# Altium PCB FlatSat Half1.PcbDoc (part 5 of 9)
Units mil, origin at the board's own origin, x right, y up, seen from the top; angles counter-clockwise.
Board outline 4682 x 10392 mil, 4 copper layers (Top Layer, STR GND 1, STR GND 2, Bottom Layer), stack 33.434 mil thick; 231 components, 255 nets, 990 pads, 1106 vias.
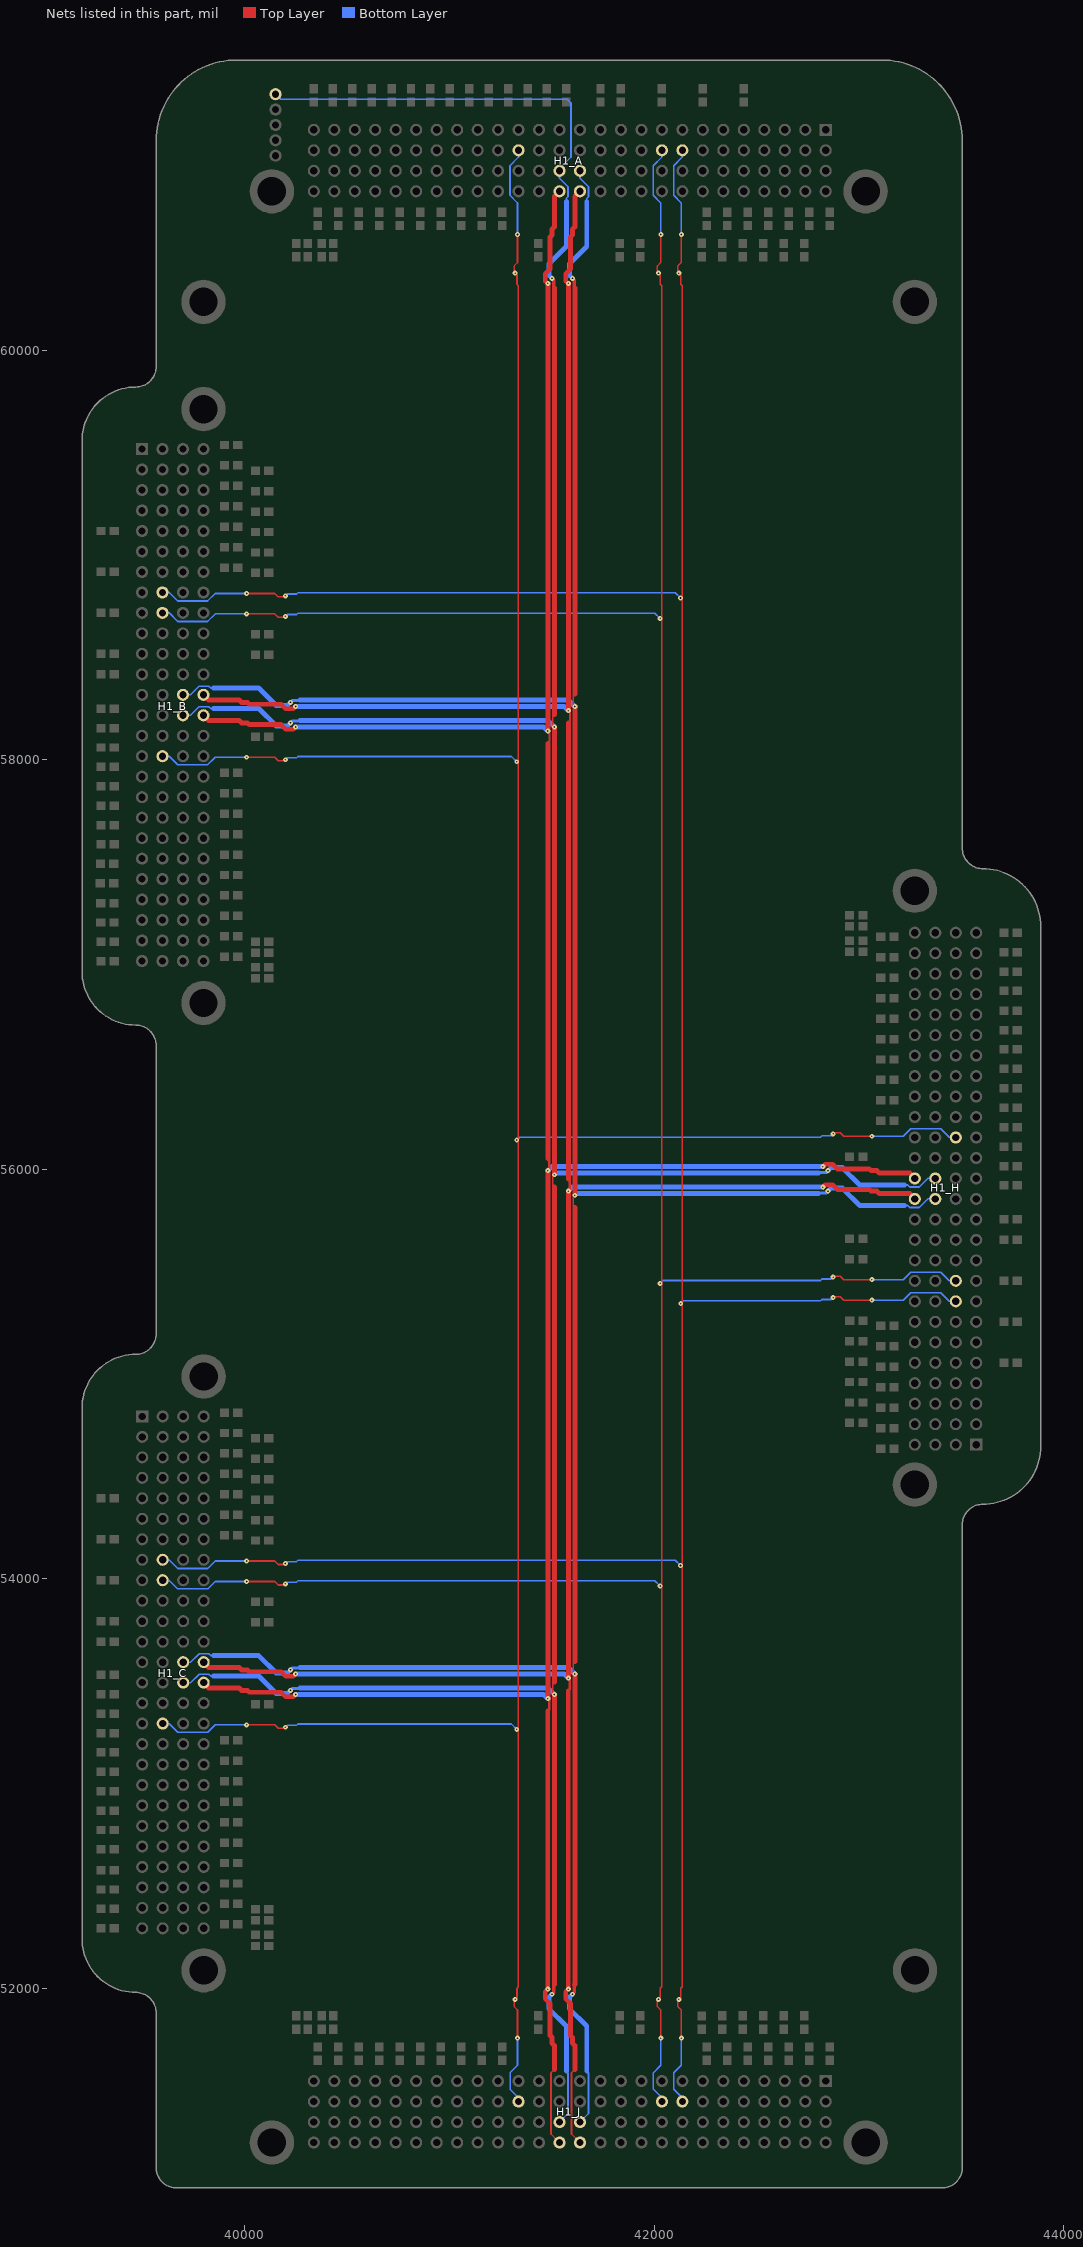
[diagram p7: the nets of this part, all layers, seen from the top]

## Design rules (kind name [scope] priority, off if disabled: settings) (continued)
Width "Schematic Width Constraint_84" [InNet('NetH1_C_49')] p1002: maxlimit=10 minlimit=8 preferedwidth=8
Width "Schematic Width Constraint_83" [InNet('NetH1_C_47')] p1003: maxlimit=10 minlimit=8 preferedwidth=8
Width "Schematic Width Constraint_82" [InNet('NetH1_C_45')] p1004: maxlimit=10 minlimit=8 preferedwidth=8
Width "Schematic Width Constraint_81" [InNet('NetH1_C_43')] p1005: maxlimit=10 minlimit=8 preferedwidth=8
Width "Schematic Width Constraint_80" [InNet('NetH1_C_41')] p1006: maxlimit=10 minlimit=8 preferedwidth=8
Width "Schematic Width Constraint_79" [InNet('NetH1_C_39')] p1007: maxlimit=10 minlimit=8 preferedwidth=8
Width "Schematic Width Constraint_78" [InNet('NetH1_C_37')] p1008: maxlimit=10 minlimit=8 preferedwidth=8
Width "Schematic Width Constraint_77" [InNet('NetH1_C_35')] p1009: maxlimit=10 minlimit=8 preferedwidth=8
Width "Schematic Width Constraint_76" [InNet('NetH1_C_33')] p1010: maxlimit=10 minlimit=8 preferedwidth=8
Width "Schematic Width Constraint_75" [InNet('NetH1_C_30')] p1011: maxlimit=10 minlimit=8 preferedwidth=8
Width "Schematic Width Constraint_74" [InNet('NetH1_C_22')] p1012: maxlimit=10 minlimit=8 preferedwidth=8
Width "Schematic Width Constraint_73" [InNet('NetH1_C_20')] p1013: maxlimit=10 minlimit=8 preferedwidth=8
Width "Schematic Width Constraint_72" [InNet('NetH1_C_14')] p1014: maxlimit=10 minlimit=8 preferedwidth=8
Width "Schematic Width Constraint_71" [InNet('NetH1_C_13')] p1015: maxlimit=10 minlimit=8 preferedwidth=8
Width "Schematic Width Constraint_70" [InNet('NetH1_C_12')] p1016: maxlimit=10 minlimit=8 preferedwidth=8
Width "Schematic Width Constraint_69" [InNet('NetH1_C_11')] p1017: maxlimit=10 minlimit=8 preferedwidth=8
Width "Schematic Width Constraint_68" [InNet('NetH1_C_10')] p1018: maxlimit=10 minlimit=8 preferedwidth=8
Width "Schematic Width Constraint_67" [InNet('NetH1_C_9')] p1019: maxlimit=10 minlimit=8 preferedwidth=8
Width "Schematic Width Constraint_66" [InNet('NetH1_C_8')] p1020: maxlimit=10 minlimit=8 preferedwidth=8
Width "Schematic Width Constraint_65" [InNet('NetH1_C_7')] p1021: maxlimit=10 minlimit=8 preferedwidth=8
Width "Schematic Width Constraint_64" [InNet('NetH1_C_6')] p1022: maxlimit=10 minlimit=8 preferedwidth=8
Width "Schematic Width Constraint_63" [InNet('NetH1_C_5')] p1023: maxlimit=10 minlimit=8 preferedwidth=8
Width "Schematic Width Constraint_62" [InNet('NetH1_C_4')] p1024: maxlimit=10 minlimit=8 preferedwidth=8
Width "Schematic Width Constraint_61" [InNet('NetH1_C_3')] p1025: maxlimit=10 minlimit=8 preferedwidth=8
Width "Schematic Width Constraint_60" [InNet('NetH1_C_1')] p1026: maxlimit=10 minlimit=8 preferedwidth=8
Width "Schematic Width Constraint_59" [InNet('NetH1_B_104')] p1027: maxlimit=10 minlimit=8 preferedwidth=8
Width "Schematic Width Constraint_58" [InNet('NetH1_B_103')] p1028: maxlimit=10 minlimit=8 preferedwidth=8
Width "Schematic Width Constraint_57" [InNet('NetH1_B_102')] p1029: maxlimit=10 minlimit=8 preferedwidth=8
Width "Schematic Width Constraint_56" [InNet('NetH1_B_101')] p1030: maxlimit=10 minlimit=8 preferedwidth=8
Width "Schematic Width Constraint_55" [InNet('NetH1_B_51')] p1031: maxlimit=10 minlimit=8 preferedwidth=8
Width "Schematic Width Constraint_54" [InNet('NetH1_B_49')] p1032: maxlimit=10 minlimit=8 preferedwidth=8
Width "Schematic Width Constraint_53" [InNet('NetH1_B_47')] p1033: maxlimit=10 minlimit=8 preferedwidth=8
Width "Schematic Width Constraint_52" [InNet('NetH1_B_45')] p1034: maxlimit=10 minlimit=8 preferedwidth=8
Width "Schematic Width Constraint_51" [InNet('NetH1_B_43')] p1035: maxlimit=10 minlimit=8 preferedwidth=8
Width "Schematic Width Constraint_50" [InNet('NetH1_B_41')] p1036: maxlimit=10 minlimit=8 preferedwidth=8
Width "Schematic Width Constraint_49" [InNet('NetH1_B_39')] p1037: maxlimit=10 minlimit=8 preferedwidth=8
Width "Schematic Width Constraint_48" [InNet('NetH1_B_37')] p1038: maxlimit=10 minlimit=8 preferedwidth=8
Width "Schematic Width Constraint_47" [InNet('NetH1_B_35')] p1039: maxlimit=10 minlimit=8 preferedwidth=8
Width "Schematic Width Constraint_46" [InNet('NetH1_B_33')] p1040: maxlimit=10 minlimit=8 preferedwidth=8
Width "Schematic Width Constraint_45" [InNet('NetH1_B_30')] p1041: maxlimit=10 minlimit=8 preferedwidth=8
Width "Schematic Width Constraint_44" [InNet('NetH1_B_22')] p1042: maxlimit=10 minlimit=8 preferedwidth=8
Width "Schematic Width Constraint_43" [InNet('NetH1_B_20')] p1043: maxlimit=10 minlimit=8 preferedwidth=8
Width "Schematic Width Constraint_42" [InNet('NetH1_B_14')] p1044: maxlimit=10 minlimit=8 preferedwidth=8
Width "Schematic Width Constraint_41" [InNet('NetH1_B_13')] p1045: maxlimit=10 minlimit=8 preferedwidth=8
Width "Schematic Width Constraint_40" [InNet('NetH1_B_12')] p1046: maxlimit=10 minlimit=8 preferedwidth=8
Width "Schematic Width Constraint_39" [InNet('NetH1_B_11')] p1047: maxlimit=10 minlimit=8 preferedwidth=8
Width "Schematic Width Constraint_38" [InNet('NetH1_B_10')] p1048: maxlimit=10 minlimit=8 preferedwidth=8
Width "Schematic Width Constraint_37" [InNet('NetH1_B_9')] p1049: maxlimit=10 minlimit=8 preferedwidth=8
Width "Schematic Width Constraint_36" [InNet('NetH1_B_8')] p1050: maxlimit=10 minlimit=8 preferedwidth=8
Width "Schematic Width Constraint_35" [InNet('NetH1_B_7')] p1051: maxlimit=10 minlimit=8 preferedwidth=8
Width "Schematic Width Constraint_34" [InNet('NetH1_B_6')] p1052: maxlimit=10 minlimit=8 preferedwidth=8
Width "Schematic Width Constraint_33" [InNet('NetH1_B_5')] p1053: maxlimit=10 minlimit=8 preferedwidth=8
Width "Schematic Width Constraint_32" [InNet('NetH1_B_4')] p1054: maxlimit=10 minlimit=8 preferedwidth=8
Width "Schematic Width Constraint_31" [InNet('NetH1_B_3')] p1055: maxlimit=10 minlimit=8 preferedwidth=8
Width "Schematic Width Constraint_30" [InNet('NetH1_B_1')] p1056: maxlimit=10 minlimit=8 preferedwidth=8
Width "Schematic Width Constraint_29" [InNet('NetH1_A_104')] p1057: maxlimit=10 minlimit=8 preferedwidth=8
Width "Schematic Width Constraint_28" [InNet('NetH1_A_103')] p1058: maxlimit=10 minlimit=8 preferedwidth=8
Width "Schematic Width Constraint_27" [InNet('NetH1_A_102')] p1059: maxlimit=10 minlimit=8 preferedwidth=8
Width "Schematic Width Constraint_25" [InNet('NetH1_A_51')] p1060: maxlimit=10 minlimit=8 preferedwidth=8
Width "Schematic Width Constraint_24" [InNet('NetH1_A_49')] p1061: maxlimit=10 minlimit=8 preferedwidth=8
Width "Schematic Width Constraint_23" [InNet('NetH1_A_47')] p1062: maxlimit=10 minlimit=8 preferedwidth=8
Width "Schematic Width Constraint_22" [InNet('NetH1_A_45')] p1063: maxlimit=10 minlimit=8 preferedwidth=8
Width "Schematic Width Constraint_21" [InNet('NetH1_A_43')] p1064: maxlimit=10 minlimit=8 preferedwidth=8
Width "Schematic Width Constraint_20" [InNet('NetH1_A_41')] p1065: maxlimit=10 minlimit=8 preferedwidth=8
Width "Schematic Width Constraint_19" [InNet('NetH1_A_39')] p1066: maxlimit=10 minlimit=8 preferedwidth=8
Width "Schematic Width Constraint_18" [InNet('NetH1_A_37')] p1067: maxlimit=10 minlimit=8 preferedwidth=8
Width "Schematic Width Constraint_17" [InNet('NetH1_A_35')] p1068: maxlimit=10 minlimit=8 preferedwidth=8
Width "Schematic Width Constraint_16" [InNet('NetH1_A_33')] p1069: maxlimit=10 minlimit=8 preferedwidth=8
Width "Schematic Width Constraint_15" [InNet('NetH1_A_30')] p1070: maxlimit=10 minlimit=8 preferedwidth=8
Width "Schematic Width Constraint_14" [InNet('NetH1_A_22')] p1071: maxlimit=10 minlimit=8 preferedwidth=8
Width "Schematic Width Constraint_13" [InNet('NetH1_A_20')] p1072: maxlimit=10 minlimit=8 preferedwidth=8
Width "Schematic Width Constraint_12" [InNet('NetH1_A_14')] p1073: maxlimit=10 minlimit=8 preferedwidth=8
Width "Schematic Width Constraint_11" [InNet('NetH1_A_13')] p1074: maxlimit=10 minlimit=8 preferedwidth=8
Width "Schematic Width Constraint_10" [InNet('NetH1_A_12')] p1075: maxlimit=10 minlimit=8 preferedwidth=8
Width "Schematic Width Constraint_9" [InNet('NetH1_A_11')] p1076: maxlimit=10 minlimit=8 preferedwidth=8
Width "Schematic Width Constraint_8" [InNet('NetH1_A_10')] p1077: maxlimit=10 minlimit=8 preferedwidth=8
Width "Schematic Width Constraint_7" [InNet('NetH1_A_9')] p1078: maxlimit=10 minlimit=8 preferedwidth=8
Width "Schematic Width Constraint_6" [InNet('NetH1_A_8')] p1079: maxlimit=10 minlimit=8 preferedwidth=8
Width "Schematic Width Constraint_5" [InNet('NetH1_A_7')] p1080: maxlimit=10 minlimit=8 preferedwidth=8
Width "Schematic Width Constraint_4" [InNet('NetH1_A_6')] p1081: maxlimit=10 minlimit=8 preferedwidth=8
Width "Schematic Width Constraint_3" [InNet('NetH1_A_5')] p1082: maxlimit=10 minlimit=8 preferedwidth=8
Width "Schematic Width Constraint_2" [InNet('NetH1_A_4')] p1083: maxlimit=10 minlimit=8 preferedwidth=8
Width "Schematic Width Constraint_1" [InNet('NetH1_A_3')] p1084: maxlimit=10 minlimit=8 preferedwidth=8
Width [All] p1085: maxlimit=40 minlimit=6 preferedwidth=24
26 further rules are at their usual default settings.

## Classes and differential pairs
component class H: H1_H J40_H J42_H J44_H J45_H J46_H J48_H J50_H J52_H J61_H J66_H J69_H J71_H J74_H J81_H J82_H J83_H J84_H J99_H J100_H R1_H R3_H R4_H R5_H R6_H R7_H R8_H R9_H R10_H R11_H R12_H R13_H R14_H R20_H R22_H R30_H R33_H R35_H R37_H R39_H R41_H R43_H R45_H R47_H R49_H R51_H R101_H R102_H R103_H R104_H
component class A: H1_A J40_A J42_A J44_A J45_A J46_A J48_A J50_A J52_A J61_A J66_A J69_A J71_A J74_A J81_A J82_A J83_A J84_A J99_A J100_A R1_A R3_A R4_A R5_A R6_A R7_A R8_A R9_A R10_A R11_A R12_A R13_A R14_A R20_A R22_A R30_A R33_A R35_A R37_A R39_A R41_A R43_A R45_A R47_A R49_A R51_A R101_A R102_A R103_A R104_A
component class B: H1_B J40_B J42_B J44_B J45_B J46_B J48_B J50_B J52_B J61_B J66_B J69_B J71_B J74_B J81_B J82_B J83_B J84_B J99_B J100_B R1_B R3_B R4_B R5_B R6_B R7_B R8_B R9_B R10_B R11_B R12_B R13_B R14_B R20_B R22_B R30_B R33_B R35_B R37_B R39_B R41_B R43_B R45_B R47_B R49_B R51_B R101_B R102_B R103_B R104_B
channel class FlatSat-PC-104: A B C D E F G H
component class C: H1_C J40_C J42_C J44_C J45_C J46_C J48_C J50_C J52_C J61_C J66_C J69_C J71_C J74_C J81_C J82_C J83_C J84_C J99_C J100_C R1_C R3_C R4_C R5_C R6_C R7_C R8_C R9_C R10_C R11_C R12_C R13_C R14_C R20_C R22_C R30_C R33_C R35_C R37_C R39_C R41_C R43_C R45_C R47_C R49_C R51_C R101_C R102_C R103_C R104_C
component class E: H1_J R1_E R3_E R4_E R5_E R6_E R7_E R8_E R9_E R10_E R11_E R12_E R13_E R14_E R20_E R22_E R30_E R33_E R35_E R37_E R39_E R41_E R43_E R45_E R47_E R49_E R51_E R101_E R102_E R103_E R104_E

## Components (designator, comment, footprint, x,y, rotation, side; value= is the part's Value field where it differs from the comment)
H1_A "MOVE-II PC104" EPS 43387,64351 r180 top locked (schematic designator H1)
H1_B "MOVE-II PC104" EPS 36223,60067 r270 top locked (schematic designator H1)
H1_C "MOVE-II PC104" EPS 36224,55343 r270 top locked (schematic designator H1)
H1_H "MOVE-II PC104" EPS 46847,54105 r90 top locked (schematic designator H1)
H1_J "MOVE-II PC104" EPS 43387,54822 r180 top locked (schematic designator H1)
J40_A "CRCW06030000Z0EA" RESC1609X55X30ML10T20 41190.31,61244 r90 top (schematic designator J40)
J40_B "CRCW06030000Z0EA" RESC1609X55X30ML10T20 39330,57870.28 r180 top (schematic designator J40)
J40_C "CRCW06030000Z0EA" RESC1609X55X30ML10T20 39330,53151.93 r180 top (schematic designator J40)
J40_H "CRCW06030000Z0EA" RESC1609X55X30ML10T20 43740,56301.07 r0 top (schematic designator J40)
J42_A "CRCW06030000Z0EA" RESC1609X55X30ML10T20 41095.66,61244 r90 top (schematic designator J42)
J42_B "CRCW06030000Z0EA" RESC1609X55X30ML10T20 39330,57775.62 r180 top (schematic designator J42)
J42_C "CRCW06030000Z0EA" RESC1609X55X30ML10T20 39330,53057.28 r180 top (schematic designator J42)
J42_H "CRCW06030000Z0EA" RESC1609X55X30ML10T20 43740,56395.72 r0 top (schematic designator J42)
J44_A "CRCW06030000Z0EA" RESC1609X55X30ML10T20 41001,61244 r90 top (schematic designator J44)
J44_B "CRCW06030000Z0EA" RESC1609X55X30ML10T20 39330,57680.97 r180 top (schematic designator J44)
J44_C "CRCW06030000Z0EA" RESC1609X55X30ML10T20 39330,52962.62 r180 top (schematic designator J44)
J44_H "CRCW06030000Z0EA" RESC1609X55X30ML10T20 43740,56490.38 r0 top (schematic designator J44)
J45_A "CRCW06030000Z0EA" RESC1609X55X30ML10T20 40906.31,61244 r90 top (schematic designator J45)
J45_B "CRCW06030000Z0EA" RESC1609X55X30ML10T20 39330,57586.31 r180 top (schematic designator J45)
J45_C "CRCW06030000Z0EA" RESC1609X55X30ML10T20 39330,52867.97 r180 top (schematic designator J45)
J45_H "CRCW06030000Z0EA" RESC1609X55X30ML10T20 43740,56585.03 r0 top (schematic designator J45)
J46_A "CRCW06030000Z0EA" RESC1609X55X30ML10T20 40811.66,61244 r90 top (schematic designator J46)
J46_B "CRCW06030000Z0EA" RESC1609X55X30ML10T20 39328,57491.66 r180 top (schematic designator J46)
J46_C "CRCW06030000Z0EA" RESC1609X55X30ML10T20 39330,52773.31 r180 top (schematic designator J46)
J46_H "CRCW06030000Z0EA" RESC1609X55X30ML10T20 43740,56679.69 r0 top (schematic designator J46)
J48_A "CRCW06030000Z0EA" RESC1609X55X30ML10T20 40620,61244 r90 top (schematic designator J48)
J48_B "CRCW06030000Z0EA" RESC1609X55X30ML10T20 39329,57300 r180 top (schematic designator J48)
J48_C "CRCW06030000Z0EA" RESC1609X55X30ML10T20 39330,52577.31 r180 top (schematic designator J48)
J48_H "CRCW06030000Z0EA" RESC1609X55X30ML10T20 43740,56870.69 r0 top (schematic designator J48)
J50_A "CRCW06030000Z0EA" RESC1609X55X30ML10T20 40430.34,61244 r90 top (schematic designator J50)
J50_B "CRCW06030000Z0EA" RESC1609X55X30ML10T20 39330,57110.34 r180 top (schematic designator J50)
J50_C "CRCW06030000Z0EA" RESC1609X55X30ML10T20 39330,52388 r180 top (schematic designator J50)
J50_H "CRCW06030000Z0EA" RESC1609X55X30ML10T20 43740,57060 r0 top (schematic designator J50)
J52_A "CRCW06030000Z0EA" RESC1609X55X30ML10T20 40335.69,61244 r90 top (schematic designator J52)
J52_B "CRCW06030000Z0EA" RESC1609X55X30ML10T20 39330,57015.69 r180 top (schematic designator J52)
J52_C "CRCW06030000Z0EA" RESC1609X55X30ML10T20 39330,52293 r180 top (schematic designator J52)
J52_H "CRCW06030000Z0EA" RESC1609X55X30ML10T20 43740,57155 r0 top (schematic designator J52)
J61_A "CRCW06030000Z0EA" RESC1609X55X30ML10T20 42437,61244 r270 top (schematic designator J61)
J61_B "CRCW06030000Z0EA" RESC1609X55X30ML10T20 39330,59117 r0 top (schematic designator J61)
J61_C "CRCW06030000Z0EA" RESC1609X55X30ML10T20 39330,54393 r0 top (schematic designator J61)
J61_H "CRCW06030000Z0EA" RESC1609X55X30ML10T20 43740,55055 r180 top (schematic designator J61)
J66_A "CRCW06030000Z0EA" RESC1609X55X30ML10T20 42237,61244 r90 top (schematic designator J66)
J66_B "CRCW06030000Z0EA" RESC1609X55X30ML10T20 39330,58917 r180 top (schematic designator J66)
J66_C "CRCW06030000Z0EA" RESC1609X55X30ML10T20 39330,54193 r180 top (schematic designator J66)
J66_H "CRCW06030000Z0EA" RESC1609X55X30ML10T20 43740,55255 r0 top (schematic designator J66)
J69_A "CRCW06030000Z0EA" RESC1609X55X30ML10T20 42037,61244 r270 top (schematic designator J69)
J69_B "CRCW06030000Z0EA" RESC1609X55X30ML10T20 39330,58717 r0 top (schematic designator J69)
J69_C "CRCW06030000Z0EA" RESC1609X55X30ML10T20 39330,53993 r0 top (schematic designator J69)
J69_H "CRCW06030000Z0EA" RESC1609X55X30ML10T20 43740,55455 r180 top (schematic designator J69)
J71_A "CRCW06030000Z0EA" RESC1609X55X30ML10T20 41837,61244 r270 top (schematic designator J71)
J71_B "CRCW06030000Z0EA" RESC1609X55X30ML10T20 39330,58517 r0 top (schematic designator J71)
J71_C "CRCW06030000Z0EA" RESC1609X55X30ML10T20 39330,53793 r0 top (schematic designator J71)
J71_H "CRCW06030000Z0EA" RESC1609X55X30ML10T20 43740,55655 r180 top (schematic designator J71)
J74_A "CRCW06030000Z0EA" RESC1609X55X30ML10T20 41737,61244 r90 top (schematic designator J74)
J74_B "CRCW06030000Z0EA" RESC1609X55X30ML10T20 39330,58417 r180 top (schematic designator J74)
J74_C "CRCW06030000Z0EA" RESC1609X55X30ML10T20 39330,53693 r180 top (schematic designator J74)
J74_H "CRCW06030000Z0EA" RESC1609X55X30ML10T20 43740,55755 r0 top (schematic designator J74)
J81_A "CRCW06030000Z0EA" RESC1609X55X30ML10T20 41569.97,61244 r270 top (schematic designator J81)
J81_B "CRCW06030000Z0EA" RESC1609X55X30ML10T20 39330,58248.9 r0 top (schematic designator J81)
J81_C "CRCW06030000Z0EA" RESC1609X55X30ML10T20 39330,53530.56 r0 top (schematic designator J81)
J81_H "CRCW06030000Z0EA" RESC1609X55X30ML10T20 43740,55921.03 r180 top (schematic designator J81)
J82_A "CRCW06030000Z0EA" RESC1609X55X30ML10T20 41475.31,61244 r90 top (schematic designator J82)
J82_B "CRCW06030000Z0EA" RESC1609X55X30ML10T20 39330,58154.24 r180 top (schematic designator J82)
J82_C "CRCW06030000Z0EA" RESC1609X55X30ML10T20 39330,53435.9 r180 top (schematic designator J82)
J82_H "CRCW06030000Z0EA" RESC1609X55X30ML10T20 43740,56015.69 r0 top (schematic designator J82)
J83_A "CRCW06030000Z0EA" RESC1609X55X30ML10T20 41380.66,61244 r270 top (schematic designator J83)
J83_B "CRCW06030000Z0EA" RESC1609X55X30ML10T20 39330,58059.59 r0 top (schematic designator J83)
J83_C "CRCW06030000Z0EA" RESC1609X55X30ML10T20 39330,53341.24 r0 top (schematic designator J83)
J83_H "CRCW06030000Z0EA" RESC1609X55X30ML10T20 43740,56110.34 r180 top (schematic designator J83)
J84_A "CRCW06030000Z0EA" RESC1609X55X30ML10T20 41286,61244 r90 top (schematic designator J84)
J84_B "CRCW06030000Z0EA" RESC1609X55X30ML10T20 39330,57964.93 r180 top (schematic designator J84)
J84_C "CRCW06030000Z0EA" RESC1609X55X30ML10T20 39330,53246.59 r180 top (schematic designator J84)
J84_H "CRCW06030000Z0EA" RESC1609X55X30ML10T20 43740,56205 r0 top (schematic designator J84)
J99_A "CRCW06030000Z0EA" RESC1609X55X30ML10T20 40717,61244 r270 top (schematic designator J99)
J99_B "CRCW06030000Z0EA" RESC1609X55X30ML10T20 39327,57397 r0 top (schematic designator J99)
J99_C "CRCW06030000Z0EA" RESC1609X55X30ML10T20 39330,52678.66 r0 top (schematic designator J99)
J99_H "CRCW06030000Z0EA" RESC1609X55X30ML10T20 43740,56774.34 r180 top (schematic designator J99)
J100_A "CRCW06030000Z0EA" RESC1609X55X30ML10T20 40525,61244 r90 top (schematic designator J100)
J100_B "CRCW06030000Z0EA" RESC1609X55X30ML10T20 39329,57205 r180 top (schematic designator J100)
J100_C "CRCW06030000Z0EA" RESC1609X55X30ML10T20 39330,52482.66 r180 top (schematic designator J100)
J100_H "CRCW06030000Z0EA" RESC1609X55X30ML10T20 43740,56965.34 r0 top (schematic designator J100)
R1_A "CRCW06030000Z0EA" RESC1609X55X30ML10T20 42857,60641 r90 top (schematic designator R1)
R1_B "CRCW06030000Z0EA" RESC1609X55X30ML10T20 39933,59537 r180 top (schematic designator R1)
R1_C "CRCW06030000Z0EA" RESC1609X55X30ML10T20 39933,54812 r180 top (schematic designator R1)
R1_E "CRCW06030000Z0EA" RESC1609X55X30ML10T20 42857,51681 r270 top (schematic designator R1)
R1_H "CRCW06030000Z0EA" RESC1609X55X30ML10T20 43138,54636 r0 top (schematic designator R1)
R3_A "CRCW06030000Z0EA" RESC1609X55X30ML10T20 42757,60641 r90 top (schematic designator R3)
R3_B "CRCW06030000Z0EA" RESC1609X55X30ML10T20 39933,59437 r180 top (schematic designator R3)
R3_C "CRCW06030000Z0EA" RESC1609X55X30ML10T20 39933,54712 r180 top (schematic designator R3)
R3_E "CRCW06030000Z0EA" RESC1609X55X30ML10T20 42757,51681 r270 top (schematic designator R3)
R3_H "CRCW06030000Z0EA" RESC1609X55X30ML10T20 43138,54736 r0 top (schematic designator R3)
R4_A "CRCW06030000Z0EA" RESC1609X55X30ML10T20 42732,60489 r270 top (schematic designator R4)
R4_B "CRCW06030000Z0EA" RESC1609X55X30ML10T20 40085,59412 r0 top (schematic designator R4)
R4_C "CRCW06030000Z0EA" RESC1609X55X30ML10T20 40085,54687 r0 top (schematic designator R4)
R4_E "CRCW06030000Z0EA" RESC1609X55X30ML10T20 42732,51833 r90 top (schematic designator R4)
R4_H "CRCW06030000Z0EA" RESC1609X55X30ML10T20 42986,54761 r180 top (schematic designator R4)
R5_A "CRCW06030000Z0EA" RESC1609X55X30ML10T20 42657,60641 r90 top (schematic designator R5)
R5_B "CRCW06030000Z0EA" RESC1609X55X30ML10T20 39933,59337 r180 top (schematic designator R5)
R5_C "CRCW06030000Z0EA" RESC1609X55X30ML10T20 39933,54612 r180 top (schematic designator R5)
R5_E "CRCW06030000Z0EA" RESC1609X55X30ML10T20 42657,51681 r270 top (schematic designator R5)
R5_H "CRCW06030000Z0EA" RESC1609X55X30ML10T20 43138,54836 r0 top (schematic designator R5)
R6_A "CRCW06030000Z0EA" RESC1609X55X30ML10T20 42632,60489 r270 top (schematic designator R6)
R6_B "CRCW06030000Z0EA" RESC1609X55X30ML10T20 40085,59312 r0 top (schematic designator R6)
R6_C "CRCW06030000Z0EA" RESC1609X55X30ML10T20 40085,54587 r0 top (schematic designator R6)
R6_E "CRCW06030000Z0EA" RESC1609X55X30ML10T20 42632,51833 r90 top (schematic designator R6)
R6_H "CRCW06030000Z0EA" RESC1609X55X30ML10T20 42986,54861 r180 top (schematic designator R6)
R7_A "CRCW06030000Z0EA" RESC1609X55X30ML10T20 42557,60641 r90 top (schematic designator R7)
R7_B "CRCW06030000Z0EA" RESC1609X55X30ML10T20 39933,59237 r180 top (schematic designator R7)
R7_C "CRCW06030000Z0EA" RESC1609X55X30ML10T20 39933,54512 r180 top (schematic designator R7)
R7_E "CRCW06030000Z0EA" RESC1609X55X30ML10T20 42557,51681 r270 top (schematic designator R7)
R7_H "CRCW06030000Z0EA" RESC1609X55X30ML10T20 43138,54936 r0 top (schematic designator R7)
R8_A "CRCW06030000Z0EA" RESC1609X55X30ML10T20 42532,60489 r270 top (schematic designator R8)
R8_B "CRCW06030000Z0EA" RESC1609X55X30ML10T20 40085,59212 r0 top (schematic designator R8)
R8_C "CRCW06030000Z0EA" RESC1609X55X30ML10T20 40085,54487 r0 top (schematic designator R8)
R8_E "CRCW06030000Z0EA" RESC1609X55X30ML10T20 42532,51833 r90 top (schematic designator R8)
R8_H "CRCW06030000Z0EA" RESC1609X55X30ML10T20 42986,54961 r180 top (schematic designator R8)
R9_A "CRCW06030000Z0EA" RESC1609X55X30ML10T20 42457,60641 r90 top (schematic designator R9)
R9_B "CRCW06030000Z0EA" RESC1609X55X30ML10T20 39933,59137 r180 top (schematic designator R9)
R9_C "CRCW06030000Z0EA" RESC1609X55X30ML10T20 39933,54412 r180 top (schematic designator R9)
R9_E "CRCW06030000Z0EA" RESC1609X55X30ML10T20 42457,51681 r270 top (schematic designator R9)
R9_H "CRCW06030000Z0EA" RESC1609X55X30ML10T20 43138,55036 r0 top (schematic designator R9)
R10_A "CRCW06030000Z0EA" RESC1609X55X30ML10T20 42432,60489 r270 top (schematic designator R10)
R10_B "CRCW06030000Z0EA" RESC1609X55X30ML10T20 40085,59112 r0 top (schematic designator R10)
R10_C "CRCW06030000Z0EA" RESC1609X55X30ML10T20 40085,54387 r0 top (schematic designator R10)
R10_E "CRCW06030000Z0EA" RESC1609X55X30ML10T20 42432,51833 r90 top (schematic designator R10)
R10_H "CRCW06030000Z0EA" RESC1609X55X30ML10T20 42986,55061 r180 top (schematic designator R10)
R11_A "CRCW06030000Z0EA" RESC1609X55X30ML10T20 42357,60641 r90 top (schematic designator R11)
R11_B "CRCW06030000Z0EA" RESC1609X55X30ML10T20 39933,59037 r180 top (schematic designator R11)
R11_C "CRCW06030000Z0EA" RESC1609X55X30ML10T20 39933,54312 r180 top (schematic designator R11)
R11_E "CRCW06030000Z0EA" RESC1609X55X30ML10T20 42357,51681 r270 top (schematic designator R11)
R11_H "CRCW06030000Z0EA" RESC1609X55X30ML10T20 43138,55136 r0 top (schematic designator R11)
R12_A "CRCW06030000Z0EA" RESC1609X55X30ML10T20 42332,60489 r270 top (schematic designator R12)
R12_B "CRCW06030000Z0EA" RESC1609X55X30ML10T20 40085,59012 r0 top (schematic designator R12)
R12_C "CRCW06030000Z0EA" RESC1609X55X30ML10T20 40085,54287 r0 top (schematic designator R12)
R12_E "CRCW06030000Z0EA" RESC1609X55X30ML10T20 42332,51833 r90 top (schematic designator R12)
R12_H "CRCW06030000Z0EA" RESC1609X55X30ML10T20 42986,55161 r180 top (schematic designator R12)
R13_A "CRCW06030000Z0EA" RESC1609X55X30ML10T20 42257,60641 r90 top (schematic designator R13)
R13_B "CRCW06030000Z0EA" RESC1609X55X30ML10T20 39933,58937 r180 top (schematic designator R13)
R13_C "CRCW06030000Z0EA" RESC1609X55X30ML10T20 39933,54212 r180 top (schematic designator R13)
R13_E "CRCW06030000Z0EA" RESC1609X55X30ML10T20 42257,51681 r270 top (schematic designator R13)
R13_H "CRCW06030000Z0EA" RESC1609X55X30ML10T20 43138,55236 r0 top (schematic designator R13)
R14_A "CRCW06030000Z0EA" RESC1609X55X30ML10T20 42232,60489.33 r270 top (schematic designator R14)
R14_B "CRCW06030000Z0EA" RESC1609X55X30ML10T20 40084.67,58912 r0 top (schematic designator R14)
R14_C "CRCW06030000Z0EA" RESC1609X55X30ML10T20 40084.67,54187 r0 top (schematic designator R14)
R14_E "CRCW06030000Z0EA" RESC1609X55X30ML10T20 42232,51832.67 r90 top (schematic designator R14)
R14_H "CRCW06030000Z0EA" RESC1609X55X30ML10T20 42986.33,55261 r180 top (schematic designator R14)
R20_A "CRCW06030000Z0EA" RESC1609X55X30ML10T20 41932,60489 r270 top (schematic designator R20)
R20_B "CRCW06030000Z0EA" RESC1609X55X30ML10T20 40085,58612 r0 top (schematic designator R20)
R20_C "CRCW06030000Z0EA" RESC1609X55X30ML10T20 40085,53887 r0 top (schematic designator R20)
R20_E "CRCW06030000Z0EA" RESC1609X55X30ML10T20 41932,51833 r90 top (schematic designator R20)
R20_H "CRCW06030000Z0EA" RESC1609X55X30ML10T20 42986,55561 r180 top (schematic designator R20)
R22_A "CRCW06030000Z0EA" RESC1609X55X30ML10T20 41832,60489 r270 top (schematic designator R22)
R22_B "CRCW06030000Z0EA" RESC1609X55X30ML10T20 40085,58512 r0 top (schematic designator R22)
R22_C "CRCW06030000Z0EA" RESC1609X55X30ML10T20 40085,53787 r0 top (schematic designator R22)
R22_E "CRCW06030000Z0EA" RESC1609X55X30ML10T20 41832,51833 r90 top (schematic designator R22)
R22_H "CRCW06030000Z0EA" RESC1609X55X30ML10T20 42986,55661 r180 top (schematic designator R22)
R30_A "CRCW06030000Z0EA" RESC1609X55X30ML10T20 41432,60489 r270 top (schematic designator R30)
R30_B "CRCW06030000Z0EA" RESC1609X55X30ML10T20 40085,58112 r0 top (schematic designator R30)
R30_C "CRCW06030000Z0EA" RESC1609X55X30ML10T20 40085,53387 r0 top (schematic designator R30)
R30_E "CRCW06030000Z0EA" RESC1609X55X30ML10T20 41432,51833 r90 top (schematic designator R30)
R30_H "CRCW06030000Z0EA" RESC1609X55X30ML10T20 42986,56061 r180 top (schematic designator R30)
R33_A "CRCW06030000Z0EA" RESC1609X55X30ML10T20 41257,60641 r90 top (schematic designator R33)
R33_B "CRCW06030000Z0EA" RESC1609X55X30ML10T20 39933,57937 r180 top (schematic designator R33)
R33_C "CRCW06030000Z0EA" RESC1609X55X30ML10T20 39933,53212 r180 top (schematic designator R33)
R33_E "CRCW06030000Z0EA" RESC1609X55X30ML10T20 41257,51681 r270 top (schematic designator R33)
R33_H "CRCW06030000Z0EA" RESC1609X55X30ML10T20 43138,56236 r0 top (schematic designator R33)
R35_A "CRCW06030000Z0EA" RESC1609X55X30ML10T20 41157,60641 r270 top (schematic designator R35)
R35_B "CRCW06030000Z0EA" RESC1609X55X30ML10T20 39933,57837 r0 top (schematic designator R35)
R35_C "CRCW06030000Z0EA" RESC1609X55X30ML10T20 39933,53112 r0 top (schematic designator R35)
R35_E "CRCW06030000Z0EA" RESC1609X55X30ML10T20 41157,51681 r90 top (schematic designator R35)
R35_H "CRCW06030000Z0EA" RESC1609X55X30ML10T20 43138,56336 r180 top (schematic designator R35)
R37_A "CRCW06030000Z0EA" RESC1609X55X30ML10T20 41057,60641 r90 top (schematic designator R37)
R37_B "CRCW06030000Z0EA" RESC1609X55X30ML10T20 39933,57737 r180 top (schematic designator R37)
R37_C "CRCW06030000Z0EA" RESC1609X55X30ML10T20 39933,53012 r180 top (schematic designator R37)
R37_E "CRCW06030000Z0EA" RESC1609X55X30ML10T20 41057,51681 r270 top (schematic designator R37)
R37_H "CRCW06030000Z0EA" RESC1609X55X30ML10T20 43138,56436 r0 top (schematic designator R37)
R39_A "CRCW06030000Z0EA" RESC1609X55X30ML10T20 40957,60641 r90 top (schematic designator R39)
R39_B "CRCW06030000Z0EA" RESC1609X55X30ML10T20 39933,57637 r180 top (schematic designator R39)
R39_C "CRCW06030000Z0EA" RESC1609X55X30ML10T20 39933,52912 r180 top (schematic designator R39)
R39_E "CRCW06030000Z0EA" RESC1609X55X30ML10T20 40957,51681 r270 top (schematic designator R39)
R39_H "CRCW06030000Z0EA" RESC1609X55X30ML10T20 43138,56536 r0 top (schematic designator R39)
R41_A "CRCW06030000Z0EA" RESC1609X55X30ML10T20 40857,60641 r90 top (schematic designator R41)
R41_B "CRCW06030000Z0EA" RESC1609X55X30ML10T20 39933,57537 r180 top (schematic designator R41)
R41_C "CRCW06030000Z0EA" RESC1609X55X30ML10T20 39933,52812 r180 top (schematic designator R41)
R41_E "CRCW06030000Z0EA" RESC1609X55X30ML10T20 40857,51681 r270 top (schematic designator R41)
R41_H "CRCW06030000Z0EA" RESC1609X55X30ML10T20 43138,56636 r0 top (schematic designator R41)
R43_A "CRCW06030000Z0EA" RESC1609X55X30ML10T20 40757,60641 r90 top (schematic designator R43)
R43_B "CRCW06030000Z0EA" RESC1609X55X30ML10T20 39933,57437 r180 top (schematic designator R43)
R43_C "CRCW06030000Z0EA" RESC1609X55X30ML10T20 39933,52712 r180 top (schematic designator R43)
R43_E "CRCW06030000Z0EA" RESC1609X55X30ML10T20 40757,51681 r270 top (schematic designator R43)
R43_H "CRCW06030000Z0EA" RESC1609X55X30ML10T20 43138,56736 r0 top (schematic designator R43)
R45_A "CRCW06030000Z0EA" RESC1609X55X30ML10T20 40657,60641 r90 top (schematic designator R45)
R45_B "CRCW06030000Z0EA" RESC1609X55X30ML10T20 39933,57337 r180 top (schematic designator R45)
R45_C "CRCW06030000Z0EA" RESC1609X55X30ML10T20 39933,52612 r180 top (schematic designator R45)
R45_E "CRCW06030000Z0EA" RESC1609X55X30ML10T20 40657,51681 r270 top (schematic designator R45)
R45_H "CRCW06030000Z0EA" RESC1609X55X30ML10T20 43138,56836 r0 top (schematic designator R45)
R47_A "CRCW06030000Z0EA" RESC1609X55X30ML10T20 40557,60641 r90 top (schematic designator R47)
R47_B "CRCW06030000Z0EA" RESC1609X55X30ML10T20 39933,57237 r180 top (schematic designator R47)
R47_C "CRCW06030000Z0EA" RESC1609X55X30ML10T20 39933,52512 r180 top (schematic designator R47)
R47_E "CRCW06030000Z0EA" RESC1609X55X30ML10T20 40557,51681 r270 top (schematic designator R47)
R47_H "CRCW06030000Z0EA" RESC1609X55X30ML10T20 43138,56936 r0 top (schematic designator R47)
R49_A "CRCW06030000Z0EA" RESC1609X55X30ML10T20 40457,60641 r90 top (schematic designator R49)
R49_B "CRCW06030000Z0EA" RESC1609X55X30ML10T20 39933,57137 r180 top (schematic designator R49)
R49_C "CRCW06030000Z0EA" RESC1609X55X30ML10T20 39933,52412 r180 top (schematic designator R49)
R49_E "CRCW06030000Z0EA" RESC1609X55X30ML10T20 40457,51681 r270 top (schematic designator R49)
R49_H "CRCW06030000Z0EA" RESC1609X55X30ML10T20 43138,57036 r0 top (schematic designator R49)
R51_A "CRCW06030000Z0EA" RESC1609X55X30ML10T20 40357,60641 r90 top (schematic designator R51)
R51_B "CRCW06030000Z0EA" RESC1609X55X30ML10T20 39933,57037 r180 top (schematic designator R51)
R51_C "CRCW06030000Z0EA" RESC1609X55X30ML10T20 39933,52312 r180 top (schematic designator R51)
R51_E "CRCW06030000Z0EA" RESC1609X55X30ML10T20 40357,51681 r270 top (schematic designator R51)
R51_H "CRCW06030000Z0EA" RESC1609X55X30ML10T20 43138,57136 r0 top (schematic designator R51)
R101_A "CRCW06030000Z0EA" RESC1609X55X30ML10T20 40431.67,60489 r270 top (schematic designator R101)
R101_B "CRCW06030000Z0EA" RESC1609X55X30ML10T20 40085,57111.67 r0 top (schematic designator R101)
R101_C "CRCW06030000Z0EA" RESC1609X55X30ML10T20 40085,52386.67 r0 top (schematic designator R101)
R101_E "CRCW06030000Z0EA" RESC1609X55X30ML10T20 40431.67,51833 r90 top (schematic designator R101)
R101_H "CRCW06030000Z0EA" RESC1609X55X30ML10T20 42986,57061.33 r180 top (schematic designator R101)
R102_A "CRCW06030000Z0EA" RESC1609X55X30ML10T20 40376.67,60489 r90 top (schematic designator R102)
R102_B "CRCW06030000Z0EA" RESC1609X55X30ML10T20 40085,57056.67 r180 top (schematic designator R102)
R102_C "CRCW06030000Z0EA" RESC1609X55X30ML10T20 40085,52331.67 r180 top (schematic designator R102)
R102_E "CRCW06030000Z0EA" RESC1609X55X30ML10T20 40376.67,51833 r270 top (schematic designator R102)
R102_H "CRCW06030000Z0EA" RESC1609X55X30ML10T20 42986,57116.33 r0 top (schematic designator R102)
R103_A "CRCW06030000Z0EA" RESC1609X55X30ML10T20 40306.67,60489 r90 top (schematic designator R103)
R103_B "CRCW06030000Z0EA" RESC1609X55X30ML10T20 40085,56986.67 r180 top (schematic designator R103)
R103_C "CRCW06030000Z0EA" RESC1609X55X30ML10T20 40085,52261.67 r180 top (schematic designator R103)
R103_E "CRCW06030000Z0EA" RESC1609X55X30ML10T20 40306.67,51833 r270 top (schematic designator R103)
R103_H "CRCW06030000Z0EA" RESC1609X55X30ML10T20 42986,57186.33 r0 top (schematic designator R103)
R104_A "CRCW06030000Z0EA" RESC1609X55X30ML10T20 40251.67,60489 r270 top (schematic designator R104)
R104_B "CRCW06030000Z0EA" RESC1609X55X30ML10T20 40085,56931.67 r0 top (schematic designator R104)
R104_C "CRCW06030000Z0EA" RESC1609X55X30ML10T20 40085,52206.67 r0 top (schematic designator R104)
R104_E "CRCW06030000Z0EA" RESC1609X55X30ML10T20 40251.67,51833 r90 top (schematic designator R104)
R104_H "CRCW06030000Z0EA" RESC1609X55X30ML10T20 42986,57241.33 r180 top (schematic designator R104)

## Footprints (in the part's own frame and the unit in brackets; to place one, negate y for a bottom-side part, rotate by r counter-clockwise, add the part's x,y. Pads: shape width x height; smd on the part's side, far side on the other; paste and mask are expansions set on the pad)
EPS [mm] "3rd gen 1U EPS from clydespace"
  round 5.5 hole 3.5: 0(9.017,90.805) 0(82.677,90.805)
  rect 1.5x1.5 hole 0.9: 1(13.97,83.185)
  round 1.5 hole 0.9: 2(13.97,85.725) 3(16.51,83.185) 4(16.51,85.725) 5(19.05,83.185) 6(19.05,85.725) 7(21.59,83.185) 8(21.59,85.725) 9(24.13,83.185) 10(24.13,85.725) 11(26.67,83.185) 12(26.67,85.725) 13(29.21,83.185) 14(29.21,85.725) 15(31.75,83.185) 16(31.75,85.725) 17(34.29,83.185) 18(34.29,85.725) 19(36.83,83.185) 20(36.83,85.725) 21(39.37,83.185) 22(39.37,85.725) 23(41.91,83.185) 24(41.91,85.725) 25(44.45,83.185) 26(44.45,85.725) 27(46.99,83.185) 28(46.99,85.725) 29(49.53,83.185) 30(49.53,85.725) 31(52.07,83.185) 32(52.07,85.725) 33(54.61,83.185) 34(54.61,85.725) 35(57.15,83.185) 36(57.15,85.725) 37(59.69,83.185) 38(59.69,85.725) 39(62.23,83.185) 40(62.23,85.725) 41(64.77,83.185) 42(64.77,85.725) 43(67.31,83.185) 44(67.31,85.725) 45(69.85,83.185) 46(69.85,85.725) 47(72.39,83.185) 48(72.39,85.725) 49(74.93,83.185) 50(74.93,85.725) 51(77.47,83.185) 52(77.47,85.725) 53(13.97,88.265) 54(13.97,90.805) 55(16.51,88.265) 56(16.51,90.805) 57(19.05,88.265) 58(19.05,90.805) 59(21.59,88.265) 60(21.59,90.805) 61(24.13,88.265) 62(24.13,90.805) 63(26.67,88.265) 64(26.67,90.805) 65(29.21,88.265) 66(29.21,90.805) 67(31.75,88.265) 68(31.75,90.805) 69(34.29,88.265) 70(34.29,90.805) 71(36.83,88.265) 72(36.83,90.805) 73(39.37,88.265) 74(39.37,90.805) 75(41.91,88.265) 76(41.91,90.805) 77(44.45,88.265) 78(44.45,90.805) 79(46.99,88.265) 80(46.99,90.805) 81(49.53,88.265) 82(49.53,90.805) 83(52.07,88.265) 84(52.07,90.805) 85(54.61,88.265) 86(54.61,90.805) 87(57.15,88.265) 88(57.15,90.805) 89(59.69,88.265) 90(59.69,90.805) 91(62.23,88.265) 92(62.23,90.805) 93(64.77,88.265) 94(64.77,90.805) 95(67.31,88.265) 96(67.31,90.805) 97(69.85,88.265) 98(69.85,90.805) 99(72.39,88.265) 100(72.39,90.805) 101(74.93,88.265) 102(74.93,90.805) 103(77.47,88.265) 104(77.47,90.805)
  silkscreen extent 12.37,81.91 79.07,92.08, body extent 12.47,82.02 79.02,91.92, height 11.05
RESC1609X55X30ML10T20 [mm] "Chip Resistor, 2-Leads, Body 1.60x0.85mm, IPC Low Density"
  rect 1.15x1.05 smd: 1(-0.825,0) 2(0.825,0)
  body extent -0.85,-0.48 0.85,0.48, height 0.55

## Part data
J40_A J40_B J40_C J40_H J42_A J42_B J42_C J42_H J44_A J44_B J44_C J44_H J45_A J45_B J45_C J45_H J46_A J46_B J46_C J46_H J48_A J48_B J48_C J48_H J50_A J50_B J50_C J50_H J52_A J52_B J52_C J52_H J61_A J61_B J61_C J61_H J66_A J66_B J66_C J66_H J69_A J69_B J69_C J69_H J71_A J71_B J71_C J71_H J74_A J74_B J74_C J74_H J81_A J81_B J81_C J81_H J82_A J82_B J82_C J82_H J83_A J83_B J83_C J83_H J84_A J84_B J84_C J84_H J99_A J99_B J99_C J99_H J100_A J100_B J100_C J100_H R1_A R1_B R1_C R1_E R1_H R3_A R3_B R3_C R3_E R3_H R4_A R4_B R4_C R4_E R4_H R5_A R5_B R5_C R5_E R5_H R6_A R6_B R6_C R6_E R6_H R7_A R7_B R7_C R7_E R7_H R8_A R8_B R8_C R8_E R8_H R9_A R9_B R9_C R9_E R9_H R10_A R10_B R10_C R10_E R10_H R11_A R11_B R11_C R11_E R11_H R12_A R12_B R12_C R12_E R12_H R13_A R13_B R13_C R13_E R13_H R14_A R14_B R14_C R14_E R14_H R20_A R20_B R20_C R20_E R20_H R22_A R22_B R22_C R22_E R22_H R30_A R30_B R30_C R30_E R30_H R33_A R33_B R33_C R33_E R33_H R35_A R35_B R35_C R35_E R35_H R37_A R37_B R37_C R37_E R37_H R39_A R39_B R39_C R39_E R39_H R41_A R41_B R41_C R41_E R41_H R43_A R43_B R43_C R43_E R43_H R45_A R45_B R45_C R45_E R45_H R47_A R47_B R47_C R47_E R47_H R49_A R49_B R49_C R49_E R49_H R51_A R51_B R51_C R51_E R51_H R101_A R101_B R101_C R101_E R101_H R102_A R102_B R102_C R102_E R102_H R103_A R103_B R103_C R103_E R103_H R104_A R104_B R104_C R104_E R104_H: library part CMP-2000-03816-1

## Free pads (board coordinates)
  round 216.54 hole 137.8: 7(39798,60236) 7(43272,60236) 7(43273,52088)
  round 59 hole 35.43: 8(40150,61025) 9(40150,61100) 10(40150,61175) 11(40150,60950) 12(40150,61250)

## Via types
v1: diameter 24, hole 8, Top Layer to Bottom Layer, 1106 vias

## Nets (pads, with @x,y where several pads share a name; then routed paths per layer and width w, separated by ;. In a path a pad name is that pad's centre, name@x,y a point inside that pad or via, vN(x,y) a via of type N, cw(c..) or ccw(c..) an arc to the next point about the centre after c; other vN are vias at no path point)
2SMARDSENS_A: H1_A.16 H1_B.16 H1_C.16 H1_H.16 H1_J.16 | length 16201
  Top Layer w8: v1(40009,54087) 40146,54087 40163,54070 40193,54070 v1(40198,54075) ; v1(40009,58812) 40146,58812 40163,58795 40193,58795 v1(40198,58800) ; v1(42132,51757) 42132,51894 42115,51911 42115,51941 v1(42120,51946) 42129,51955 42129,52000.41 42136,52007.41 42136,60314.59 42129,60321.59 42129,60367 v1(42120,60376) 42115,60381 42115,60411 42132,60428 v1(42132,60565) ; v1(42873,55373) 42878,55378 42908,55378 42925,55361 v1(43062,55361)
  Bottom Layer w8: H1_C.16@39598,54092 39631,54092 39672.47,54050.53 39818.53,54050.53 39855,54087 v1(40009,54087) ; H1_B.16@39598,58817 39631,58817 39673,58775 39818,58775 39855,58812 v1(40009,58812) ; v1(40198,54075) 40207,54084 40252.41,54084 40259.41,54091 42102,54091 v1(42128,54065) ; v1(40198,58800) 40207,58809 40252.41,58809 40259.41,58816 42102,58816 v1(42128,58790) ; v1(42129,55344) 42142,55357 42811.59,55357 42818.59,55364 42864,55364 v1(42873,55373) ; v1(42132,51757) 42132,51624 42095.47,51587.47 42095.47,51507.53 42137,51466 H1_J.16@42137,51447 ; v1(42132,60565) 42132,60719 42095,60756 42095,60901 42137,60943 H1_A.16@42137,60976 ; v1(43062,55361) 43216,55361 43252.47,55397.47 43398.53,55397.47 43440,55356 H1_H.16@43473,55356
2SMARDSENS_B: H1_A.18 H1_B.18 H1_C.18 H1_H.18 H1_J.18 | length 16080.8
  Top Layer w8: v1(40009,53987) 40146,53987 40163,53970 v1@40193,53970 ; v1(40009,58712) 40146,58712 40163,58695 v1@40193,58695 ; v1(42032,51757) 42032,51894 42015,51911 42015,51941 v1(42020,51946) 42029,51955 42029,52000.41 42036,52007.41 42036,60314.59 42029,60321.59 42029,60367 v1(42020,60376) 42015,60381 42015,60411 42032,60428 v1(42032,60565) ; v1@42878,55478 42908,55478 42925,55461 v1(43062,55461)
  Bottom Layer w8: H1_C.18@39598,53992 39631,53992 39672.47,53950.53 39818.53,53950.53 39855,53987 v1(40009,53987) ; H1_B.18@39598,58717 39631,58717 39673,58675 39818,58675 39855,58712 v1(40009,58712) ; v1(40198,53975) 40207,53984 40252.41,53984 40259.41,53991 42002,53991 v1(42028,53965) ; v1(40198,58700) 40207,58709 40252.41,58709 40259.41,58716 42002,58716 v1(42028,58690) ; v1@42028,55444 42041,55457 42811.59,55457 42818.59,55464 42864,55464 v1(42873,55473) ; v1(42032,51757) 42032,51624 41995.47,51587.47 41995.47,51507.53 42037,51466 H1_J.18@42037,51447 ; v1(42032,60565) 42032,60719 41995,60756 41995,60901 42037,60943 H1_A.18@42037,60976 ; v1(43062,55461) 43216,55461 43252.47,55497.47 43398.53,55497.47 43440,55456 H1_H.18@43473,55456
  other v1: 42028,55443
3V3_BUS_1: H1_A.79 H1_B.79 H1_C.79 H1_H.79 H1_J.79 pad.12 | length 17204.4
  Top Layer w8: v1(41512,53435) 41504,53443 41504,53487 41512,53495 ; 41512,55913 41504,55921 41504,55965 v1(41512,55973) ; v1(41512,58160) 41504,58168 41504,58212 41512,58220
  Top Layer w16: v1(41500,51971) 41509,51980 41509,52010 41512,52013 41512,52018 ; v1(41500,60351) 41509,60342 41509,60312 41512,60309 41512,60304
  Top Layer w24: 41512,52018 v1(41512,53435) ; 41512,53495 41512,55913 ; v1(41512,55973) v1(41512,58160) ; 41512,58220 41512,60304
  Bottom Layer w8: H1_C.79@39698,53492 39735,53492 39777.53,53534.53 39823.47,53534.53 39833,53525 39848,53525 ; H1_B.79@39698,58217 39735,58217 39776.53,58258.53 39824.47,58258.53 39833,58250 39848,58250 ; pad.12@40150,61250 40175,61225 41575,61225 41593,61207 41593,60943 41537,60887 H1_A.79@41537,60876 41537,60839 41578.53,60797.47 41578.53,60749.53 41570,60741 41570,60726 ; H1_J.79@41537,51347 41578.53,51388.53 41578.53,51587.47 41570,51596 ; 43223,55923 43238,55923 43247.53,55913.47 43293.47,55913.47 43336,55956 H1_H.79@43373,55956
  Bottom Layer w16: v1(40223,53455) 40232,53464 40262,53464 ; v1(40223,58180) 40232,58189 40262,58189 ; 40265,53467 40270,53467 ; 40265,58192 40270,58192 ; 42801,55981 42806,55981 ; 42809,55984 42839,55984 v1(42848,55993)
  Bottom Layer w22: 40208,53440 v1(40223,53455) ; 40208,58165 v1(40223,58180) ; 41485,51956 v1(41500,51971) ; 41485,60366 v1(41500,60351) ; v1(42848,55993) 42863,56008
  Bottom Layer w24: 39848,53525 40068,53525 40153,53440 40208,53440 ; 39848,58250 40068,58250 40153,58165 40208,58165 ; 40270,53467 41480,53467 v1@41511,53436 ; 40270,58192 41480,58192 v1@41511,58161 ; 41485,51956 41485,51901 41570,51816 41570,51596 ; 41485,60366 41485,60421 41570,60506 41570,60726 ; v1(41512,55973) 41520,55981 42801,55981 ; 42863,56008 42918,56008 43003,55923 43223,55923
3V3_BUS_2: H1_A.80 H1_B.80 H1_C.80 H1_H.80 H1_J.80 | length 14909.2
  Top Layer w8: 41480,58080 41488,58088 41488,58132 v1(41480,58140) ; 41512,51604 41495.47,51587.47 41495.47,51288.53 H1_J.80@41537,51247
  Top Layer w12: 41480,53355 41486,53361 41486,53409 v1(41480,53415) ; v1(41480,55993) 41486,55999 41486,56047 41480,56053
  Top Layer w22: 40177,53446 40200,53423 40236.25,53423 v1@40248.13,53434.87 ; 40177,58171 40200,58148 40236.25,58148 v1@40248.13,58159.87 ; v1@41479.87,51996.13 41468,51984.25 41468,51948 41491,51925 ; v1@41479.87,60325.87 41468,60337.75 41468,60374 41491,60397 ; v1(41480,51996) 41480,53355 ; v1@42822.87,56013.13 42834.75,56025 42871,56025 42894,56002
  Top Layer w24: H1_C.80@39798,53492 39823,53467 39972,53467 39984,53455 40012.6,53455 40021.6,53446 40177,53446 ; H1_B.80@39798,58217 39823,58192 39972,58192 39984,58180 40012.6,58180 40021.6,58171 40177,58171 ; v1(41480,53415) v1(41480,55993) ; 41480,56053 41480,58080 ; v1(41480,58140) v1(41480,60326) ; 41491,51925 41491,51769.6 41500,51760.6 41500,51732 41512,51720 41512,51604 ; 41491,60397 41491,60552.4 41500,60561.4 41500,60590 41512,60602 41512,60751 H1_A.80@41537,60776 ; 42894,56002 43049.4,56002 43058.4,55993 43087,55993 43099,55981 43248,55981 H1_H.80@43273,55956
  Bottom Layer w24: v1(40248,53435) 41460,53435 v1(41480,53415) ; v1(40248,58160) 41460,58160 v1(41480,58140) ; v1(41480,55993) 41500,56013 v1(42823,56013)
5V_BUS_1: H1_A.77 H1_B.77 H1_C.77 H1_H.77 H1_J.77 | length 15492.7
  Top Layer w8: v1(41612,53535) 41604,53543 41604,53587 41612,53595 ; 41612,55813 41604,55821 41604,55865 v1(41612,55873) ; v1(41612,58260) 41604,58268 41604,58312 41612,58320
  Top Layer w16: v1(41600,51971) 41609,51980 41609,52010 41612,52013 41612,52018 ; v1(41600,60351) 41609,60342 41609,60312 41612,60309 41612,60304
  Top Layer w24: 41611,52018 41612,52019 v1(41612,53535) ; 41612,53595 41612,55813 ; v1(41612,55873) v1(41612,58260) ; 41612,58320 41612,60304
  Bottom Layer w8: H1_C.77@39698,53592 39735,53592 39777.53,53634.53 39823.47,53634.53 39833,53625 39848,53625 ; H1_B.77@39698,58317 39735,58317 39776.53,58358.53 39824.47,58358.53 39833,58350 39848,58350 ; H1_J.77@41637,51347 41678.53,51388.53 41678.53,51587.47 41670,51596 ; H1_A.77@41637,60876 41637,60839 41678.53,60797.47 41678.53,60749.53 41670,60741 41670,60726 ; 43223,55823 43238,55823 43247.53,55813.47 43293.47,55813.47 43336,55856 H1_H.77@43373,55856
  Bottom Layer w16: v1(40223,53555) 40232,53564 40262,53564 ; v1(40223,58280) 40232,58289 40262,58289 ; 40265,53567 40270,53567 ; 40265,58292 40270,58292 ; 42801,55881 42806,55881 ; 42809,55884 42839,55884 v1(42848,55893)
  Bottom Layer w22: 40208,53540 v1(40223,53555) ; 40208,58265 v1(40223,58280) ; 41585,51956 v1(41600,51971) ; 41585,60366 v1(41600,60351) ; v1(42848,55893) 42863,55908
  Bottom Layer w24: 39848,53625 40068,53625 40153,53540 40208,53540 ; 39848,58350 40068,58350 40153,58265 40208,58265 ; 40270,53567 41580,53567 v1(41612,53535) ; 40270,58292 41580,58292 v1(41612,58260) ; 41585,51956 41585,51901 41670,51816 41670,51596 ; 41585,60366 41585,60421 41670,60506 41670,60726 ; v1(41612,55873) 41620,55881 42801,55881 ; 42863,55908 42918,55908 43003,55823 43223,55823
5V_BUS_2: H1_A.78 H1_B.78 H1_C.78 H1_H.78 H1_J.78 | length 15008.2
  Top Layer w8: 41580,58180 41588,58188 41588,58232 v1(41580,58240) ; 41612,51604 41595.47,51587.47 41595.47,51288.53 H1_J.78@41637,51247
  Top Layer w12: 41580,53455 41586,53461 41586,53509 v1(41580,53515) ; v1(41580,55893) 41586,55899 41586,55947 41580,55953
  Top Layer w22: 40177,53546 40200,53523 40236.25,53523 v1@40248.13,53534.87 ; 40177,58271 40200,58248 40236.25,58248 v1@40248.13,58259.87 ; v1@41579.87,51996.13 41568,51984.25 41568,51948 41591,51925 ; v1@41579.87,60325.87 41568,60337.75 41568,60374 41591,60397 ; v1(41580,51996) 41580,53454 ; v1@42822.87,55913.13 42834.75,55925 42871,55925 42894,55902
  Top Layer w24: H1_C.78@39798,53592 39823,53567 39972,53567 39984,53555 40012.6,53555 40021.6,53546 40177,53546 ; H1_B.78@39798,58317 39823,58292 39972,58292 39984,58280 40012.6,58280 40021.6,58271 40177,58271 ; v1(41580,53515) v1(41580,55893) ; 41580,55953 41580,58180 ; v1(41580,58240) v1(41580,60326) ; 41591,51925 41591,51769.6 41600,51760.6 41600,51732 41612,51720 41612,51604 ; 41591,60397 41591,60552.4 41600,60561.4 41600,60590 41612,60602 41612,60751 H1_A.78@41637,60776 ; 42894,55902 43049.4,55902 43058.4,55893 43087,55893 43099,55881 43248,55881 H1_H.78@43273,55856
  Bottom Layer w24: v1(40248,53535) 41560,53535 v1(41580,53515) ; v1(40248,58260) 41560,58260 v1(41580,58240) ; v1(41580,55893) 41600,55913 v1(42823,55913)
5V_USB_CHG: H1_A.32 H1_B.32 H1_C.32 H1_H.32 H1_J.32 | length 15401.8
  Top Layer w8: v1(40009,53287) 40146,53287 40163,53270 40193,53270 v1(40198,53275) ; v1(40009,58012) 40146,58012 40163,57995 40193,57995 v1(40198,58000) ; v1(41332,51757) 41332,51894 41315,51911 41315,51941 v1(41320,51946) 41329,51955 41329,52000.41 41336,52007.41 ; v1(41332,60565) 41332,60428 41315,60411 41315,60381 v1(41320,60376) 41329,60367 41329,60321.59 41336,60314.59 41336,52008 ; v1(42873,56173) 42878,56178 42908,56178 42925,56161 v1(43062,56161)
  Bottom Layer w8: H1_C.32@39598,53292 39631,53292 39672.47,53250.53 39818.53,53250.53 39855,53287 v1(40009,53287) ; H1_B.32@39598,58017 39631,58017 39673,57975 39818,57975 39855,58012 v1(40009,58012) ; v1(40198,53275) 40207,53284 40252.41,53284 40259.41,53291 41302,53291 v1(41328,53265) ; v1(40198,58000) 40207,58009 40252.41,58009 40259.41,58016 41302,58016 v1(41328,57990) ; v1(41328,56143) 41342,56157 42811.59,56157 42818.59,56164 42864,56164 v1(42873,56173) ; v1(41332,51757) 41332,51624 41295.47,51587.47 41295.47,51507.53 41337,51466 H1_J.32@41337,51447 ; v1(41332,60565) 41332,60719 41295,60756 41295,60901 41337,60943 H1_A.32@41337,60976 ; v1(43062,56161) 43216,56161 43252.47,56197.47 43398.53,56197.47 43440,56156 H1_H.32@43473,56156